# Altium PCB PCB.PcbDoc
Units mil, origin at the board's own origin, x right, y up, seen from the top; angles counter-clockwise.
Board outline 6000 x 4000 mil, 2 copper layers (Top Layer, Bottom Layer); 82 components, 59 nets, 316 pads, 0 vias.
Unrouted connection lines stored in the file: 182.
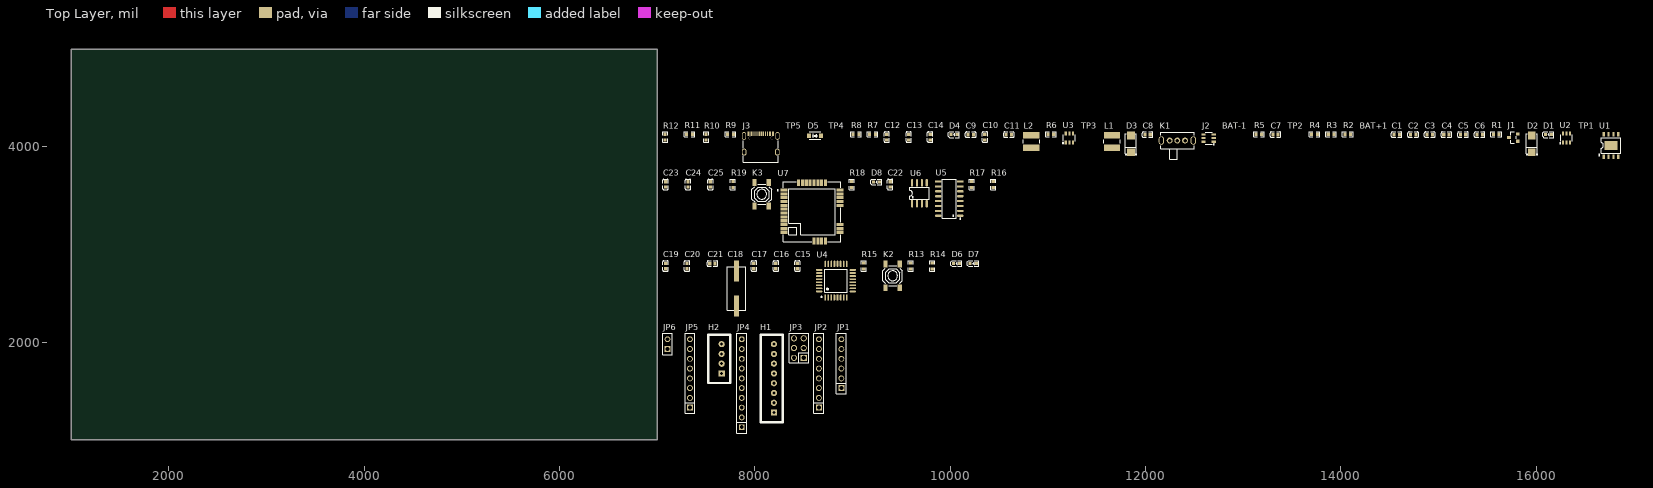
[diagram p0: Top Layer view]
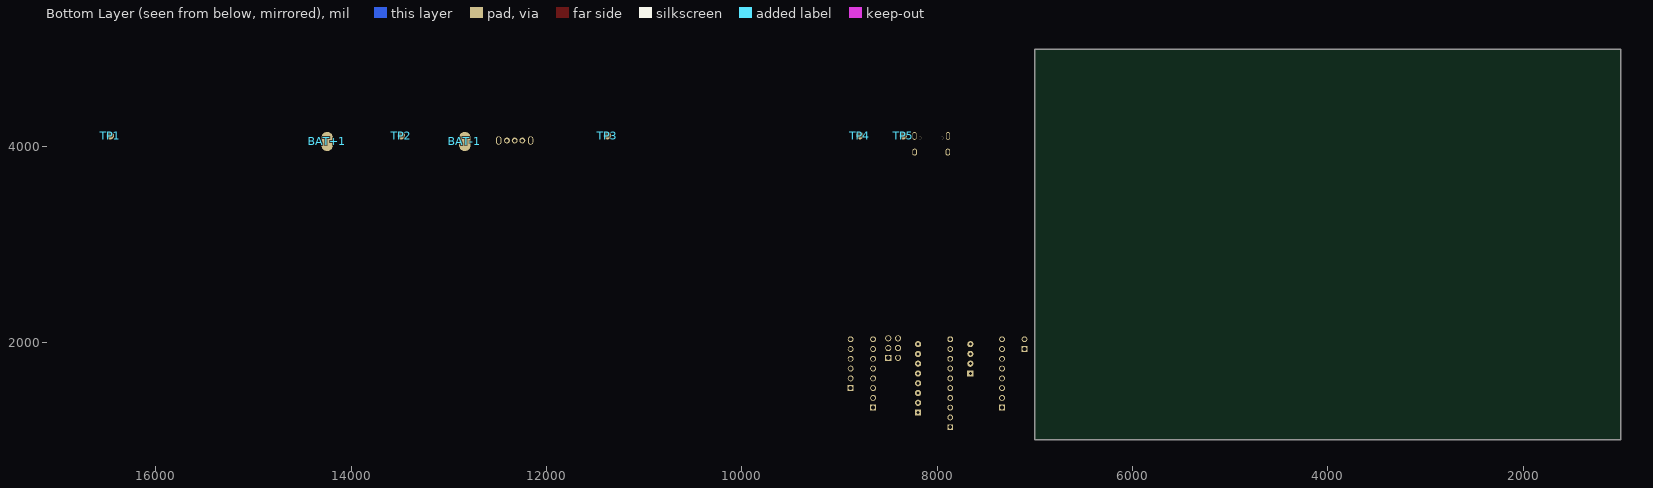
[diagram p1: Bottom Layer view, seen from below]

## Layer stack, top to bottom
Top Solder: solder mask 0.4, Solder Resist, Dk 3.5
Top Layer: signal copper 1.4
Dielectric 1: dielectric 12.6, FR-4, Dk 4.8
Bottom Layer: signal copper 1.4
Bottom Solder: solder mask 0.4, Solder Resist, Dk 3.5

## Board outline
1000,1000 7000,1000 7000,5000 1000,5000

## Design rules (kind name [scope] priority, off if disabled: settings)
Clearance [All] p1: gap=10 ignorepadtopadclearanceinfootprint=FALSE
DiffPairsRouting [All] p1: maxlimit=10 minlimit=10 mostfreqgap=10 toplayer_minwidth=15 toplayer_maxwidth=15 toplayer_prefwidth=15 bottomlayer_minwidth=15 bottomlayer_maxwidth=15 bottomlayer_prefwidth=15 maxuncoupledlength=500
PolygonConnect [All] p1: connectstyle=Relief reliefconductorwidth=10 reliefentries=4 polygonreliefangle="90 Angle" airgapwidth=10
RoutingVias [All] p1: holewidth=28 width=50 viastyle="Through Hole" minholewidth=28 minwidth=50 maxholewidth=28 maxwidth=50
SolderMaskExpansion [All] p1: expansion=4 istentingtop=FALSE
Width [All] p1: maxlimit=10 minlimit=10 preferedwidth=10
29 further rules are at their usual default settings.

## Classes and differential pairs
component class "Voltage Source": BAT+1 BAT-1 C1 C2 C3 C4 C5 C6 C7 C8 C9 C10 C11 C12 C13 C14 D1 D2 D3 D4 D5 J1 J2 J3 K1 L1 L2 R1 R2 R3 R4 R5 R6 R7 R8 R9 R10 R11 R12 TP1 TP2 TP3 TP4 TP5 U1 U2 U3
component class Peripheral: C22 C23 C24 C25 D8 K3 R16 R17 R18 R19 U5 U6 U7
component class "Micro Controller": C15 C16 C17 C18 C19 C20 C21 D6 D7 K2 R13 R14 R15 U4
component class Connector: H1 H2 JP1 JP2 JP3 JP4 JP5 JP6
differential pair D: +D_P -D_N

## Components (designator, comment, footprint, x,y, rotation, side; value= is the part's Value field where it differs from the comment)
BAT+1 "SP" SP 14245,4055 r0 top
BAT-1 "SP" SP 12835,4055 r0 top
C1 "100nF" C0603 14570,4125 r0 top
C2 "10uF" C0603 14740,4125 r0 top
C3 "22uF" C0603 14910,4125 r0 top
C4 "100nF" C0603 15080,4125 r0 top
C5 "10uF" C0603 15250,4125 r0 top
C6 "22uF" C0603 15420,4125 r0 top
C7 "100nF" C0603 13330,4125 r0 top
C8 "22uF" C0603 12020,4125 r0 top
C9 "100nF" C0603 10210,4125 r0 top
C10 "10uF" C0603 10355,4100 r90 top
C11 "22uF" C0603 10600,4125 r0 top
C12 "100nF" C0603 9350,4100 r90 top
C13 "10uF" C0603 9575,4100 r90 top
C14 "22uF" C0603 9795,4100 r90 top
C15 "12pF" C0603 8435,2780 r90 top
C16 "100nF" C0603 8215,2780 r90 top
C17 "12pF" C0603 7990,2780 r90 top
C18 "X49SM16MSD2SC" X49SM16MSD2SC 7810,2550 r90 top
C19 "100nF" C0603 7085,2780 r90 top
C20 "10uF" C0603 7305,2780 r90 top
C21 "22uF" C0603 7565,2805 r0 top
C22 "100nF" C0603 9385,3615 r90 top
C23 "100nF" C0603 7085,3615 r90 top
C24 "10uF" C0603 7315,3615 r90 top
C25 "22uF" C0603 7545,3615 r90 top
D1 "RED" LED0603 16125,4125 r0 top
D2 "SS34" SS34 15955,4030 r90 top
D3 "SS34" SS34 11850,4030 r90 top
D4 "YELLOW" LED0603 10040,4125 r0 top
D5 "SOD4007" SOD4007 8615,4115 r0 top
D6 "YELLOW" LED0603 10065,2805 r0 top
D7 "YELLOW" LED0603 10235,2805 r0 top
D8 "YELLOW" LED0603 9245,3640 r0 top
H1 "TFT" XH2.54M-8 8195,1280 r90 top
H2 "I2C BUS" XH2.54M-4 7660,1680 r90 top
J1 "AO3401A" AO3401A 15765,4095 r0 top
J2 "FS8205A" FS8205A 12645,4090 r0 top
J3 "TYPE-C 16PIN 2MD(073)" TYPE_C_FAMALE 8060,4040 r0 top
JP1 "JP 1x6 2.54" "JP 1x6 CT" 8885,1530 r90 top
JP2 "JP 1x8 2.54" "JP 1x8 CT" 8655,1330 r90 top
JP3 "JP 2x3 2.54" "JP 2x3 DT" 8450,1940 r90 top
JP4 "JP 1x10 2.54" "JP 1x10 CT" 7865,1130 r90 top
JP5 "JP 1x8 2.54" "JP 1x8 CT" 7335,1330 r90 top
JP6 "JP 1x2 2.54" "JP 1x2 CT" 7105,1930 r90 top
K1 "SK12D07VG4" SK12D07VG4 12325,4065 r0 top
K2 "TS-1140SP-4x4x1.5-260" 4x4x1.5 9410,2680 r90 top
K3 "TS-1140SP-4x4x1.5-260" 4x4x1.5 8070,3515 r90 top
L1 "220uH" CD43 11655,4055 r0 top
L2 "220uH" CD43 10830,4055 r0 top
R1 "1kΩ" R0603 15590,4130 r0 top
R2 "2kΩ" R0603 14070,4130 r0 top
R3 "10kΩ" R0603 13900,4130 r0 top
R4 "1kΩ" R0603 13730,4130 r0 top
R5 "1kΩ" R0603 13160,4130 r0 top
R6 "" R0603 11030,4130 r0 top
R7 "1kΩ" R0603 9205,4130 r0 top
R8 "1kΩ" R0603 9035,4130 r0 top
R9 "5k1Ω" R0603 7750,4130 r0 top
R10 "5k1Ω" R0603 7500,4100 r90 top
R11 "0Ω" R0603 7330,4130 r0 top
R12 "0Ω" R0603 7080,4100 r90 top
R13 "1kΩ" R0603 9595,2780 r90 top
R14 "1kΩ" R0603 9815,2780 r90 top
R15 "10kΩ" R0603 9115,2780 r90 top
R16 "4k7Ω" R0603 10440,3615 r90 top
R17 "4k7Ω" R0603 10220,3615 r90 top
R18 "1kΩ" R0603 8990,3615 r90 top
R19 "10kΩ" R0603 7775,3615 r90 top
TP1 "TP" TP 16465,4115 r0 top
TP2 "TP" TP 13485,4115 r0 top
TP3 "TP" TP 11375,4115 r0 top
TP4 "TP" TP 8790,4115 r0 top
TP5 "TP" TP 8345,4115 r0 top
U1 "TP4056" TP4056 16765,4015 r0 top
U2 "DW01A" DW01A 16310,4090 r0 top
U3 "MT3608" MT3608 11220,4090 r0 top
U4 "ATMEGA328-AU" ATMEGA328-AU 8830,2630 r0 top
U5 "CH340C" CH340C 9990,3470 r90 top
U6 "AT24C02C-SSHM-T" AT24C02C-SSHM-T 9685,3525 r0 top
U7 "RAK3172-9-SM-I" RAK3172-9-SM-I 8585,3335 r0 top

## Footprints (in the part's own frame and the unit in brackets; to place one, negate y for a bottom-side part, rotate by r counter-clockwise, add the part's x,y. Pads: shape width x height; smd on the part's side, far side on the other; paste and mask are expansions set on the pad)
4x4x1.5 [mm]
  rect 1.8x1.1 smd paste+0 mask+0.051: 1(-3.1,1.85) 2(3.1,1.85) 3(-3.1,-1.85) 4(3.1,-1.85)
  silkscreen extent -2.55,-2.55 2.55,2.55, body extent -3.2,-2.6 3.2,2.6, height 1.5
AO3401A [mm]
  rect 1x0.8 smd paste+0 mask+0.051: 1(1.15,-0.95) 2(1.15,0.95) 3(-1.15,0)
  silkscreen extent -0.7,-1.5 0.7,1.5, body extent -1.4,-1.45 1.4,1.45, height 1.26
AT24C02C-SSHM-T [mil]
  oval 22.38x76.78 smd paste+0 mask+2: 1(-75,-106.5) 2(-25,-106.5) 3(25,-106.5) 4(75,-106.5) 5(75,106.5) 6(25,106.5) 7(-25,106.5) 8(-75,106.5)
  silkscreen extent -98,-59 98,59, body extent -96,-115 96,117, height 60
ATMEGA328-AU [mm]
  oval 0.45x1.65 smd paste+0 mask+0.051: 1(-2.8,-4.369) 2(-2,-4.369) 3(-1.2,-4.369) 4(-0.4,-4.369) 5(0.4,-4.369) 6(1.2,-4.369) 7(2,-4.369) 8(2.8,-4.369) 17(2.8,4.369) 18(2,4.369) 19(1.2,4.369) 20(0.4,4.369) 21(-0.4,4.369) 22(-1.2,4.369) 23(-2,4.369) 24(-2.8,4.369)
  oval 1.65x0.45 smd paste+0 mask+0.051: 9(4.382,-2.8) 10(4.382,-2) 11(4.382,-1.2) 12(4.382,-0.4) 13(4.382,0.4) 14(4.382,1.2) 15(4.382,2) 16(4.382,2.8) 25(-4.381,2.8) 26(-4.381,2) 27(-4.381,1.2) 28(-4.381,0.4) 29(-4.381,-0.4) 30(-4.381,-1.2) 31(-4.381,-2) 32(-4.381,-2.8)
  silkscreen extent -3.91,-4.36 2.94,2.95, body extent -4.5,-4.5 4.5,4.5, height 1.05
C0603 [mm]
  rect 0.8x0.9 smd: 1(-0.7,0) 2(0.7,0)
  silkscreen extent -1.39,-0.71 1.39,0.71, body extent -0.8,-0.4 0.8,0.4, height 0.4
CD43 [mm]
  rect 4.2x1.75 smd paste+0 mask+0.051: 1(0,1.625) 2(0,-1.625)
  silkscreen extent -2.16,-0.52 2.16,0.52, body extent -2,-2.25 2,2.25, height 3.22
CH340C [mm]
  oval 0.56x1.745 smd paste+0 mask+0.051: 1(-4.445,-2.873) 2(-3.175,-2.873) 3(-1.905,-2.873) 4(-0.635,-2.873) 5(0.635,-2.873) 6(1.905,-2.873) 7(3.175,-2.873) 8(4.445,-2.873) 9(4.445,2.873) 10(3.175,2.873) 11(1.905,2.873) 12(0.635,2.873) 13(-0.635,2.873) 14(-1.905,2.873) 15(-3.175,2.873) 16(-4.445,2.873)
  silkscreen extent -5.33,-3.02 5.08,1.77, body extent -4.95,-3.18 5.05,3.28, height 1.92
DW01A [mm]
  rect 0.532x1.072 smd paste+0 mask+0.051: 1(-0.95,-1.149) 2(0,-1.149) 3(0.95,-1.149) 4(0.95,1.149) 5(0,1.149) 6(-0.95,1.149)
  silkscreen extent -1.82,-1.45 1.54,0.89, body extent -1.45,-1.43 1.45,1.37, height 1.46
FS8205A [mm]
  rect 1.1x0.6 smd paste+0 mask+0.051: 1(1.35,-0.95) 2(1.35,0) 3(1.35,0.95) 4(-1.35,0.95) 5(-1.35,0) 6(-1.35,-0.95)
  silkscreen extent -0.9,-1.78 1.52,1.55, body extent -1.4,-1.48 1.4,1.42, height 1.46
"JP 1x2 CT" [mm] "JP 1x2 CT"
  rect 1.52x1.52 hole 1.02: 1(0,0)
  round 1.52 hole 1.02: 2(2.54,0)
  silkscreen extent -1.52,-1.27 4.06,1.27, body extent -1.52,-1.25 4.06,1.25, height 8.51
"JP 1x6 CT" [mm] "6 row, straight, gold plating"
  rect 1.52x1.52 hole 1.02: 1(0,0)
  round 1.52 hole 1.02: 2(2.54,0) 3(5.08,0) 4(7.62,0) 5(10.16,0) 6(12.7,0)
  silkscreen extent -1.52,-1.27 14.22,1.27, body extent -1.52,-1.25 14.22,1.25, height 8.51
"JP 1x8 CT" [mm] "8 row, straight, gold plating"
  rect 1.52x1.52 hole 1.02: 1(0,0)
  round 1.52 hole 1.02: 2(2.54,0) 3(5.08,0) 4(7.62,0) 5(10.16,0) 6(12.7,0) 7(15.24,0) 8(17.78,0)
  silkscreen extent -1.52,-1.27 19.3,1.27, body extent -1.52,-1.25 19.3,1.25, height 8.51
"JP 1x10 CT" [mm] "10 row, straight, gold plating"
  rect 1.52x1.52 hole 1.02: 1(0,0)
  round 1.52 hole 1.02: 2(2.54,0) 3(5.08,0) 4(7.62,0) 5(10.16,0) 6(12.7,0) 7(15.24,0) 8(17.78,0) 9(20.32,0) 10(22.86,0)
  silkscreen extent -1.52,-1.27 24.38,1.27, body extent -1.52,-1.25 24.38,1.25, height 8.51
"JP 2x3 DT" [mm]
  rect 1.6x1.6 hole 1.1: 1(-2.54,-1.27)
  round 1.6 hole 1.1: 2(0,-1.27) 3(2.54,-1.27) 4(2.54,1.27) 5(0,1.27) 6(-2.54,1.27)
  silkscreen extent -3.81,-2.54 3.81,2.54, body extent -3.81,-2.54 3.81,2.54, height 8.55
LED0603 [mm]
  rect 0.8x0.8 smd paste+0 mask+0.051: 1(-0.799,-0.004) 2(0.799,0.004)
  silkscreen extent -1.49,-0.75 1.39,0.76, body extent -0.8,-0.42 0.8,0.38, height 0.7
MT3608 [mm]
  rect 0.532x1.072 smd paste+0 mask+0.051: 1(-0.95,-1.149) 2(0,-1.149) 3(0.95,-1.149) 4(0.95,1.149) 5(0,1.149) 6(-0.95,1.149)
  silkscreen extent -1.82,-1.45 1.54,0.89, body extent -1.45,-1.4 1.45,1.4, height 1.46
R0603 [mil]
  rect 31.75x34.02 smd paste-3937.01 mask+2: 1(-29.66,0) 2(29.66,0)
  silkscreen extent -55,-26 55,26, body extent -31,-16 31,16, height 18
RAK3172-9-SM-I [mm]
  rect 1.8x0.8 smd paste+0 mask+0.051: 1(-7.287,5.68) 2(-7.287,4.68) 3(-7.287,3.68) 4(-7.287,2.68) 5(-7.287,1.68) 6(-7.287,0.68) 7(-7.287,-0.32) 8(-7.287,-1.32) 9(-7.287,-2.32) 10(-7.287,-3.32) 11(-7.287,-4.32) 12(-7.287,-5.32) 17(7.287,-5.32) 18(7.287,-4.32) 19(7.287,-3.32) 20(7.287,1.68) 21(7.287,2.68) 22(7.287,3.68) 23(7.287,4.68) 24(7.287,5.68)
  rect 0.8x1.8 smd paste+0 mask+0.051: 13(0.5,-7.569) 14(1.5,-7.569) 15(2.5,-7.569) 16(3.5,-7.569) 25(3.5,7.569) 26(2.5,7.569) 27(1.5,7.569) 28(0.5,7.569) 29(-0.5,7.569) 30(-1.5,7.569) 31(-2.5,7.569) 32(-3.5,7.569)
  silkscreen extent -9.05,-7.82 7.49,7.78, body extent -7.5,-7.82 7.49,7.67, height 3.51
SK12D07VG4 [mil]
  round 60 hole 36 paste-99999 mask+1.97: 1(-78.74,0) 2(0,0) 3(78.74,0)
  oval 55.12x86.61 hole 31.5 slot 62.99 at 90 deg paste-99999 mask+1.97: 4(163.39,0) 5(-163.39,0)
  silkscreen extent -171,-191 171,87, body extent -169,-190 170,83, height 188
SOD4007 [mm]
  rect 1x1.2 smd paste+0 mask+0.051: 1(-1.55,0) 2(1.55,0)
  silkscreen extent -1.52,-0.93 1.49,0.95, body extent -1.9,-0.9 1.9,0.9, height 1.02
SP [mm]
  oval 3x5 smd far side paste+0 mask+0.051: 1(0,0)
SS34 [mm]
  rect 2x2 smd paste+0 mask+0.051: 1(-2.2,0) 2(2.2,0)
  silkscreen extent -2.98,-1.5 2.6,1.5, body extent -2.65,-1.29 2.49,1.27, height 2.63
TP [mm]
  round 2 smd far side paste+0 mask+0.051: 1(0,0)
TP4056 [mm]
  rect 0.6x1.2 smd paste+0 mask+0.051: 1(-1.905,-2.908) 2(-0.635,-2.908) 3(0.635,-2.908) 4(1.905,-2.908) 5(1.905,2.908) 6(0.635,2.908) 7(-0.635,2.908) 8(-1.905,2.908)
  rect 3.3x2.4 smd paste+0 mask+0.051: 9(0,0)
  silkscreen extent -3.2,-2.67 2.55,2.05, body extent -2.46,-3 2.44,3, height 1.76
TYPE_C_FAMALE [mm]
  rect 0.55x1.1 smd paste-100 mask+0.05: 1(-3.2,2.375) 2(-2.4,2.375) 11(2.4,2.375) 12(3.2,2.375)
  rect 0.3x1.1 smd paste-100 mask+0.05: 3(-1.75,2.375) 4(-1.25,2.375) 5(-0.75,2.375) 6(-0.25,2.375) 7(0.25,2.375) 8(0.75,2.375) 9(1.25,2.375) 10(1.75,2.375)
  oval 1.2x1.8 hole 0.6 slot 1.2 at 90 deg paste-2539.97 mask+0.05: 13(-4.325,-2.375) 14(4.325,-2.375)
  oval 1.1x2 hole 0.6 slot 1.5 at 90 deg paste-2539.97 mask+0.05: 13(-4.325,1.825) 14(4.325,1.825)
  round 0.7 hole 0.7 unplated paste-2539.97: ""(-2.89,1.305) ""(2.89,1.305)
  silkscreen extent -4.5,-4.97 4.57,0.6, body extent -4.57,-5.09 4.63,2.86, height 3.21
X49SM16MSD2SC [mm]
  rect 5.5x1.3 smd paste+0 mask+0.051: 1(-4.553,0) 2(4.553,0)
  silkscreen extent -5.71,-2.41 5.72,2.41, body extent -6.35,-2.38 6.35,2.32, height 4.2
XH2.54M-4 [mm]
  rect 1.6x1.6 hole 0.8: 1(0,0)
  round 1.6 hole 0.8: 2(2.54,0) 3(5.08,0) 4(7.62,0)
  silkscreen extent -2.48,-2.26 10.1,3.46, body extent -2.48,-2.26 10.1,3.48, height 6.91
XH2.54M-8 [mm]
  rect 1.6x1.6 hole 0.8: 1(0,0)
  round 1.6 hole 0.8: 2(2.54,0) 3(5.08,0) 4(7.62,0) 5(10.16,0) 6(12.7,0) 7(15.24,0) 8(17.78,0)
  silkscreen extent -2.48,-2.26 20.26,3.46, body extent -2.48,-2.26 20.26,3.48, height 6.91

## Part data
C1 C4 C7 C9 C12 C16 C19 C22 C23: library part C0603_100nF_±1%, "50V 10pF NP0 ±1% 0402 Multilayer Ceramic Capacitors MLCC - SMD/SMT ROHS", LCSC Part #=C513681, Manufacturer=YAGEO, Mfr. Part #=CC0402FRNPO9BN100, Package=0603, Tolerance=±1%, Voltage Rating=50V, Capacitance=100nF, Link=https://www.lcsc.com/product-detail/C513681.html?s_z=n_capital%2520yageo%252010pF%25200402
C2 C5 C10 C13 C20 C24: library part C0603_10uF_±1%, "50V 10pF NP0 ±1% 0402 Multilayer Ceramic Capacitors MLCC - SMD/SMT ROHS", LCSC Part #=C513681, Manufacturer=YAGEO, Mfr. Part #=CC0402FRNPO9BN100, Package=0603, Tolerance=±1%, Voltage Rating=50V, Capacitance=10uF, Link=https://www.lcsc.com/product-detail/C513681.html?s_z=n_capital%2520yageo%252010pF%25200402
C3 C6 C8 C11 C14 C21 C25: library part C0603_22uF_±1%, "50V 10pF NP0 ±1% 0402 Multilayer Ceramic Capacitors MLCC - SMD/SMT ROHS", LCSC Part #=C513681, Manufacturer=YAGEO, Mfr. Part #=CC0402FRNPO9BN100, Package=0603, Tolerance=±1%, Voltage Rating=50V, Capacitance=22uF, Link=https://www.lcsc.com/product-detail/C513681.html?s_z=n_capital%2520yageo%252010pF%25200402
C15 C17: library part C0603_12pF_±1%, "50V 10pF NP0 ±1% 0402 Multilayer Ceramic Capacitors MLCC - SMD/SMT ROHS", LCSC Part #=C513681, Manufacturer=YAGEO, Mfr. Part #=CC0402FRNPO9BN100, Package=0603, Tolerance=±1%, Voltage Rating=50V, Capacitance=12pF, Link=https://www.lcsc.com/product-detail/C513681.html?s_z=n_capital%2520yageo%252010pF%25200402
C18: "16MHz Crystal Oscillator 20pF ±20ppm ±30ppm HC-49S-SMD Crystals ROHS", LCSC Part #=C12676, Load Capacitance=20pF, Manufacturer="YXC Crystal Oscillators", Package=HC-49S-SMD, Link=https://www.lcsc.com/product-detail/C12676.html?s_z=n_Crystal%2520Oscillators%2520X49%252016Mhz, Mfr. Part #=X49SM16MSD2SC
D1: library part D0603_RED, "25mcd~40mcd Water Clear -40℃~+85℃ 624nm Red 120° 60mW 0402 LED Indication - Discrete ROHS", LCSC Part #=C965793, Manufacturer=XINGLIGHT, Mfr. Part #=XL-1005UGC, Package=0603, Power(Watts)=60mW, Voltage - Forward(Vf)=3V, Illumination Color=RED, Link=https://www.lcsc.com/product-detail/C136765.html?s_z=n_LED%25200402%2520RED
D2 D3: "40V Independent 3A 550mV@3A SMA(DO-214AC) Schottky Diodes ROHS", Current - Rectified=3A, LCSC Part #=C8678, Manufacturer="MDD(Microdiode Semiconductor)", Package=SMA(DO-214AC), Voltage - DC Reverse(Vr)=40V, Link=https://www.lcsc.com/product-detail/C8678.html?s_z=n_SS34, Mfr. Part #=SS34
D4 D6 D7 D8: library part D0603_YELLOW, "25mcd~40mcd Water Clear -40℃~+85℃ 624nm Red 120° 60mW 0402 LED Indication - Discrete ROHS", LCSC Part #=C965793, Manufacturer=XINGLIGHT, Mfr. Part #=XL-1005UGC, Package=0603, Power(Watts)=60mW, Voltage - Forward(Vf)=3V, Illumination Color=YELLOW, Link=https://www.lcsc.com/product-detail/C136765.html?s_z=n_LED%25200402%2520RED
D5: "1A Independent 1kV 1.1V@1A SOD-123FL Diodes - General Purpose ROHS", Current - Rectified=1A, LCSC Part #=C18124, Manufacturer="MDD(Microdiode Semiconductor)", Package=SOD-123FL, Voltage - DC Reverse(Vr)=1kV, Link=https://www.lcsc.com/product-detail/C18124.html?s_z=n_SOD4007, Mfr. Part #=SOD4007
H1: library part "Header 8P 2.54 Duc Thang", "Cắm", Chung_Loai=Cắm, Don_Vi=Con, Ma_Hang=MH003366, Ten_Linh_Kien="Header 8P XH2.54-8P Đực Thẳng"
H2: library part "Header 4P 2.54 Duc Thang", "Cắm", Chung_Loai=Cắm, Don_Vi=Con, Ma_Hang=MH001285, Ten_Linh_Kien="Header 4P XH2.54-4P Đực Thẳng"
J1: library part AO3401, "30V 4A 900mV@250uA 1 P-Channel SOT-23 MOSFETs ROHS", Current - Continuous Drain(Id)=4A, Drain to Source Voltage=30V, LCSC Part #=C15127, Manufacturer=AOS, Package=SOT-23, Link=https://www.lcsc.com/product-detail/C15127.html?s_z=n_AO3401, Mfr. Part #=AO3401A
J2: "20V 9A 31.5mΩ@2.5V 1.5W 1.2V@250uA SOT-23-6 MOSFETs ROHS", Current - Continuous Drain(Id)=9A, Drain to Source Voltage=20V, LCSC Part #=C2830320, Manufacturer="TECH PUBLIC", Package=SOT-23-6, Link=https://www.lcsc.com/product-detail/C2830320.html?s_z=n_fs8205a, Mfr. Part #=FS8205A
J3: library part TYPE_C_FAMALE_16PIN, "3A 1 Surface Mount, Right Angle 16P Female -25℃~+85℃ Type-C SMD USB Connectors ROHS", LCSC Part #=C2765186, Manufacturer="SHOU HAN", Package=SMD, Link=https://www.lcsc.com/product-detail/C2765186.html?s_z=n_type%2520c, Mfr. Part #="TYPE-C 16PIN 2MD(073)", Number of Contacts=16P
JP1: library part "JP 1x6 2.54 Cai Thang", "Cắm", Chung_Loai=Cắm, Don_Vi=Con, Ma_Hang=MH004006, Ten_Linh_Kien="Jump Đơn Cái 2.54MM 1x20P Thẳng"
JP2 JP5: library part "JP 1x8 2.54 Cai Thang", "Cắm", Chung_Loai=Cắm, Don_Vi=Con, Ma_Hang=MH004006, Ten_Linh_Kien="Jump Đơn Cái 2.54MM 1x20P Thẳng"
JP3: library part "JP 2x3 2.54 Duc Thang", "Cắm", Chung_Loai=Cắm, Don_Vi=Con, Ma_Hang=MH002686, Ten_Linh_Kien="Jump Đôi Đực 2.54MM 2x40P Thẳng 11MM"
JP4: library part "JP 1x10 2.54 Cai Thang", "Cắm", Chung_Loai=Cắm, Don_Vi=Con, Ma_Hang=MH004006, Ten_Linh_Kien="Jump Đơn Cái 2.54MM 1x20P Thẳng"
JP6: library part "JP 1x2 2.54 Cai Thang", "Cắm", Chung_Loai=Cắm, Don_Vi=Con, Ma_Hang=MH004006, Ten_Linh_Kien="Jump Đơn Cái 2.54MM 1x20P Thẳng"
K1: "500mA SPDT 50V 5,000 Cycles Through Hole Slide Switches ROHS", LCSC Part #=C393937, Manufacturer="SHOU HAN", Package="Through Hole", Link=https://www.lcsc.com/product-detail/C393937.html?s_z=n_SK12D07VG4, Mfr. Part #=SK12D07VG4, Switch Height=8.8mm
K2 K3: "SMD Tactile Switches ROHS", LCSC Part #=C49023394, Manufacturer=CAX, Package=SMD, Link=https://www.lcsc.com/product-detail/C49023394.html?s_z=n_button%25204x4, Mfr. Part #=TS-1140SP-4x4x1.5-260
L1 L2: library part CD4-220UH, "360mA 220uH ±20% SMD,4.5x4x3.2mm Power Inductors ROHS", Current Rating=360mA, DC Resistance(DCR)=3.4Ω, LCSC Part #=C492283, Manufacturer=YJYCOIN, Mfr. Part #=CD43YP0403-221M, Package=SMD,4.5x4x3.2mm, Tolerance=±20%, Inductance=220uH, Key Attributes="FIXED IND 220uH 360mA 3.4Ω SMD,4.5x4x3.2mm", Link=https://www.lcsc.com/product-detail/C492283.html?s_z=n_220uH%2520cd43
R1 R4 R5 R7 R8 R13 R14 R18: library part R0603_1kΩ_±1%, "62.5mW Thick Film Resistor 50V ±1% ±200ppm/℃ 10Ω 0402 Chip Resistor - Surface Mount ROHS", LCSC Part #=C138066, Manufacturer=YAGEO, Mfr. Part #=RC0402FR-0710RL, Package=0603, Tolerance=±1%, Link=https://www.lcsc.com/product-detail/C138066.html?s_z=n_resistor%25200402%252010R, Resistance=1kΩ
R2: library part R0603_2kΩ_±1%, "62.5mW Thick Film Resistor 50V ±1% ±200ppm/℃ 10Ω 0402 Chip Resistor - Surface Mount ROHS", LCSC Part #=C138066, Manufacturer=YAGEO, Mfr. Part #=RC0402FR-0710RL, Package=0603, Tolerance=±1%, Link=https://www.lcsc.com/product-detail/C138066.html?s_z=n_resistor%25200402%252010R, Resistance=2kΩ
R3 R15 R19: library part R0603_10kΩ_±1%, "62.5mW Thick Film Resistor 50V ±1% ±200ppm/℃ 10Ω 0402 Chip Resistor - Surface Mount ROHS", LCSC Part #=C138066, Manufacturer=YAGEO, Mfr. Part #=RC0402FR-0710RL, Package=0603, Tolerance=±1%, Link=https://www.lcsc.com/product-detail/C138066.html?s_z=n_resistor%25200402%252010R, Resistance=10kΩ
R6: library part R0603_1kΩ_±1%, "62.5mW Thick Film Resistor 50V ±1% ±200ppm/℃ 10Ω 0402 Chip Resistor - Surface Mount ROHS", LCSC Part #=C138066, Manufacturer=YAGEO, Mfr. Part #=RC0402FR-0710RL, Package=0603, Resistance=1kΩ, Tolerance=±1%, Link=https://www.lcsc.com/product-detail/C138066.html?s_z=n_resistor%25200402%252010R
R9 R10: library part R0603_5k1Ω_±1%, "100mW Thick Film Resistor 75V ±100ppm/℃ ±1% 5.1kΩ 0603 Chip Resistor - Surface Mount ROHS", LCSC Part #=C2907044, Manufacturer=FOJAN, Mfr. Part #=FRC0603F5101TS, Package=0603, Tolerance=±1%, Key Attributes="RES 5.1kΩ ±1% 100mW 0603", Link=https://www.lcsc.com/product-detail/C2907044.html?s_z=n_5k1%25200603, Resistance=5k1Ω
R11 R12: library part R0603_0Ω_±5%, "100mW Thick Film Resistor 75V ±5% 0Ω 0603 Chip Resistor - Surface Mount ROHS", LCSC Part #=C95177, Manufacturer=YAGEO, Mfr. Part #=RC0603JR-070RL, Package=0603, Tolerance=±5%, Key Attributes="RES 0Ω ±5% 100mW 0603", Link=https://www.lcsc.com/product-detail/C138066.html?s_z=n_resistor%25200402%252010R, Resistance=0Ω
R16 R17: library part R0603_4k7Ω_±1%, "62.5mW Thick Film Resistor 50V ±1% ±200ppm/℃ 10Ω 0402 Chip Resistor - Surface Mount ROHS", LCSC Part #=C138066, Manufacturer=YAGEO, Mfr. Part #=RC0402FR-0710RL, Package=0603, Tolerance=±1%, Link=https://www.lcsc.com/product-detail/C138066.html?s_z=n_resistor%25200402%252010R, Resistance=4k7Ω
U1: "4V~6V Lithium-ion/Polymer 1 ESOP-8 Battery Management ROHS", Charging Saturation Voltage=4.2V, LCSC Part #=C382139, Manufacturer=TPOWER, Package=ESOP-8, Voltage - Supply=4V~6V, Key Attributes="1A Lithium Battery Charger", Link=https://www.lcsc.com/product-detail/C382139.html?s_z=n_TP4056, Mfr. Part #=TP4056, Number of Cells=1
U2: "1.5V~8V Lithium-ion/Polymer 1 SOT-23-6 Battery Management ROHS", Charging Saturation Voltage=4.3V, LCSC Part #=C2927799, Manufacturer=YONGYUTAI, Package=SOT-23-6, Voltage - Supply=1.5V~8V, Key Attributes="Lithium battery protection circuit", Link=https://www.lcsc.com/product-detail/C2927799.html?s_z=n_DW-01A, Mfr. Part #=DW01A
U3: "Boost Adjustable 2A 2V~24V SOT-23-6 DC-DC Converters ROHS", Frequency - Switching=1.2MHz, LCSC Part #=C84817, Manufacturer="XI'AN Aerosemi Tech", Package=SOT-23-6, Function=Boost, Link=https://www.lcsc.com/product-detail/C84817.html?s_z=n_mt3608, Mfr. Part #=MT3608
U4: "AVR 20MHz TQFP-32(7x7) Microcontrollers (MCU/MPU/SOC) ROHS", LCSC Part #=C618731, Manufacturer=MICROCHIP, Package=TQFP-32(7x7), Voltage - Supply=1.8V~5.5V, ADC (Bit)=10bit, CPU Core=AVR, CPU Maximum Speed=20MHz, Link=https://www.lcsc.com/product-detail/C618731.html?s_z=n_C618731, Mfr. Part #=ATMEGA328-AU, Number of I/O=23, Program Storage Size=32KB
U5: "2Mbps Transceiver USB 2.0 SOP-16 USB Converters ROHS", LCSC Part #=C84681, Manufacturer=WCH, Package=SOP-16, Voltage - Supply=3.3V;5V, Link=https://www.lcsc.com/product-detail/C84681.html?s_z=n_CH340C, Mfr. Part #=CH340C
U6: "2Kbit 1MHz I2C SOIC-8 EEPROM ROHS", LCSC Part #=C6203, Manufacturer=MICROCHIP, Package=SOIC-8, Voltage - Supply=1.7V~5.5V, Interface=I2C, Key Attributes="I²C-Compatible (2-wire) Serial EEPROM", Link=https://www.lcsc.com/product-detail/C6203.html?s_z=n_24C02, Memory Size=2Kbit, Mfr. Part #=AT24C02C-SSHM-T, Write Cycle Endurance="1,000,000 Cycles"
U7: "15km SMD,15.5x15mm LoRa Modules ROHS", LCSC Part #=C19723905, Manufacturer=RAKwireless, Package=SMD,15.5x15mm, Voltage - Supply=2V~3.6V, Antenna Type="IPEX Connector", Interface Type=UART;SPI;I2C, Key Attributes="WisDuo LPWAN Module", Link=https://www.lcsc.com/product-detail/C19723905.html?s_z=n_RAK3172, Mfr. Part #=RAK3172-9-SM-I

## Nets (pads, with @x,y where several pads share a name; then routed paths per layer and width w, separated by ;. In a path a pad name is that pad's centre, name@x,y a point inside that pad or via, vN(x,y) a via of type N, cw(c..) or ccw(c..) an arc to the next point about the centre after c; other vN are vias at no path point)
+3.3: C9.1 C10.1 C11.1 C19.1 C20.1 C21.1 C23.1 C24.1 C25.1 D3.1 H1.2 H2.1 JP3.6 JP5.5 R13.2 R14.2 R15.2 TP3.1 U4.4 U4.6 U4.18 U6.8 U7.24
A0: H2.3 JP1.6 JP4.1 R16.2 U4.28 U6.6
A1: H2.4 JP1.5 JP4.2 R17.2 U4.27 U6.5
A2: JP1.4 U4.26
A3: JP1.3 U4.25
A4: JP1.2 U4.24
A5: JP1.1 U4.23
ADC6: JP6.2 U4.22
ADC7: JP6.1 U4.19
AREF: C16.2 JP4.3 U4.20
CS_TFT: H1.3 JP2.5 U4.1
D0: JP2.8 U4.30
D1: JP2.7 U4.31
D2: JP2.6 R18.2 U4.32
D4: H1.4 JP2.4 U4.2
D5: H1.5 JP2.3 U4.9
D6: JP2.2 U4.10 U7.1
D7: JP2.1 U4.11 U7.2
D8: JP4.10 U4.12
D9: JP4.9 U4.13
D10: JP4.8 U4.14
D11: H1.7 JP3.5 JP4.7 U4.15
D12: H1.8 JP3.1 JP4.6 U4.16
D13: H1.6 JP3.2 JP4.5 U4.17
D_N: U5.6
D_P: U5.5
GND: C1.2 C2.2 C3.2 C4.2 C5.2 C6.2 C9.2 C10.2 C11.2 C12.2 C13.2 C14.2 C15.2 C16.1 C17.2 C19.2 C20.2 C21.2 C23.2 C24.2 C25.2 H1.1 H2.2 J2.1 J3.1 J3.12 J3.13 J3.14 JP3.4 JP4.4 JP5.2 JP5.3 K2.1 K2.3 K3.1 K3.3 R2.2 R3.2 R4.2 R5.2 R8.2 R9.2 R10.2 U1.3 U1.9 U3.2 U4.3 U4.5 U4.21 U5.1 U6.1 U6.2 U6.3 U6.4 U6.7 U7.11 U7.17 U7.18 U7.23 U7.28
NetBAT-1_1: BAT-1.1 C7.2 J2.3 U2.6
NetC7_1: C7.1 D2.1 U2.5
NetC8_1: C8.1 D3.2
NetC8_2: C8.2 U3.3
NetC15_1: C15.1 U4.7
NetC17_1: C17.1 U4.8
NetC22_2: C22.2 U5.13
NetD1_2: D1.2
NetD1_3: U1.7
NetD4_2: D4.2
NetD6_2: D6.2
NetD7_2: D7.2
NetD8_2: D8.2
NetJ2_2: J2.2 J2.5
NetJ2_4: J2.4 U2.1
NetJ2_6: J2.6 U2.3
NetJ3_4: J3.4
NetJ3_5: J3.5 J3.7 R12.2
NetJ3_6: J3.6 J3.8 R11.2
NetJ3_10: J3.10
NetR2_3: U1.2
NetR4_3: U1.1
NetR5_3: U2.2
NetR6_2: R6.2 TP4.1 U3.1
RESET: C22.1 JP3.3 JP5.6 K2.2 K2.4 U4.29
RESET_RAK3172: K3.2 K3.4 R19.2 U7.22
RXD: U5.3
TXD: U5.2
V-BAT: BAT+1.1 C4.1 C5.1 C6.1 D2.2 TP1.1 U1.5
V-BUCKBOOST: C12.1 C13.1 C14.1 K1.3 R7.2 U3.4 U3.5
V-BUS: C1.1 C2.1 C3.1 D5.2 J3.2 J3.11 JP5.1 JP5.4 JP5.7 R1.2 TP5.1 U1.4 U1.8 U5.4 U5.16
VCC: D5.1 K1.2 TP2.1
pads on no net: C18.1 C18.2 D1.1 D4.1 D6.1 D7.1 D8.1 J1.1 J1.2 J1.3 J3. J3.3 J3.9 JP5.8 K1.1 K1.4 K1.5 L1.1 L1.2 L2.1 L2.2 R1.1 R2.1 R3.1 R4.1 R5.1 R6.1 R7.1 R8.1 R9.1 R10.1 R11.1 R12.1 R13.1 R14.1 R15.1 R16.1 R17.1 R18.1 R19.1 U1.6 U2.4 U3.6 U5.7 U5.8 U5.9 U5.10 U5.11 U5.12 U5.14 U5.15 U7.3 U7.4 U7.5 U7.6 U7.7 U7.8 U7.9 U7.10 U7.12 U7.13 U7.14 U7.15 U7.16 U7.19 U7.20 U7.21 U7.25 U7.26 U7.27 U7.29 U7.30 U7.31 U7.32